# Altium PCB CanRotor_Mini(PCB).PcbDoc
Units mm, origin at the board's own origin, x right, y up, seen from the top; angles counter-clockwise.
Board outline 50 x 50.03 mm, 2 copper layers (Top Layer, Bottom Layer), stack 0.325 mm thick; 88 components, 58 nets, 333 pads, 3 vias.
Unrouted connection lines stored in the file: 157.
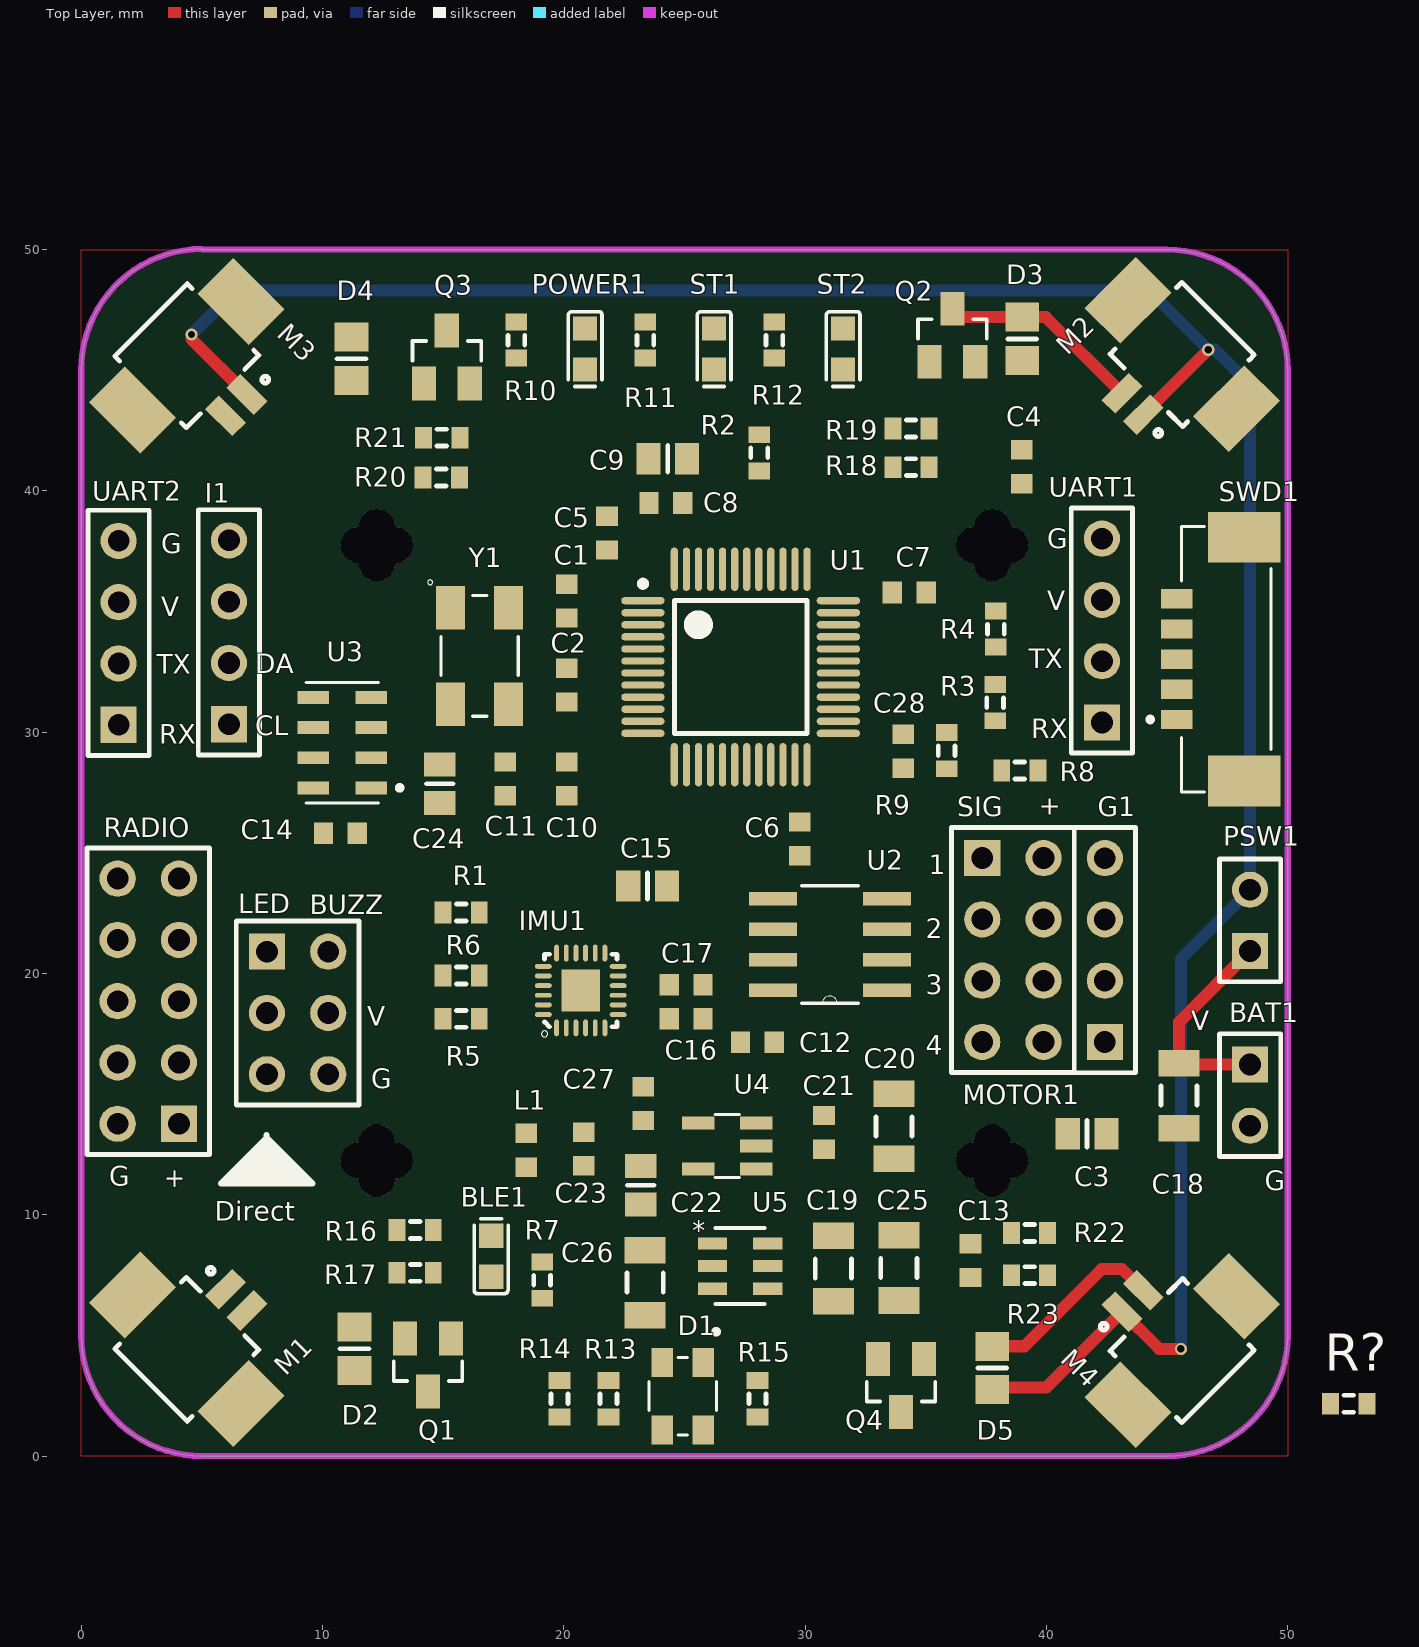
[diagram p0: Top Layer view]
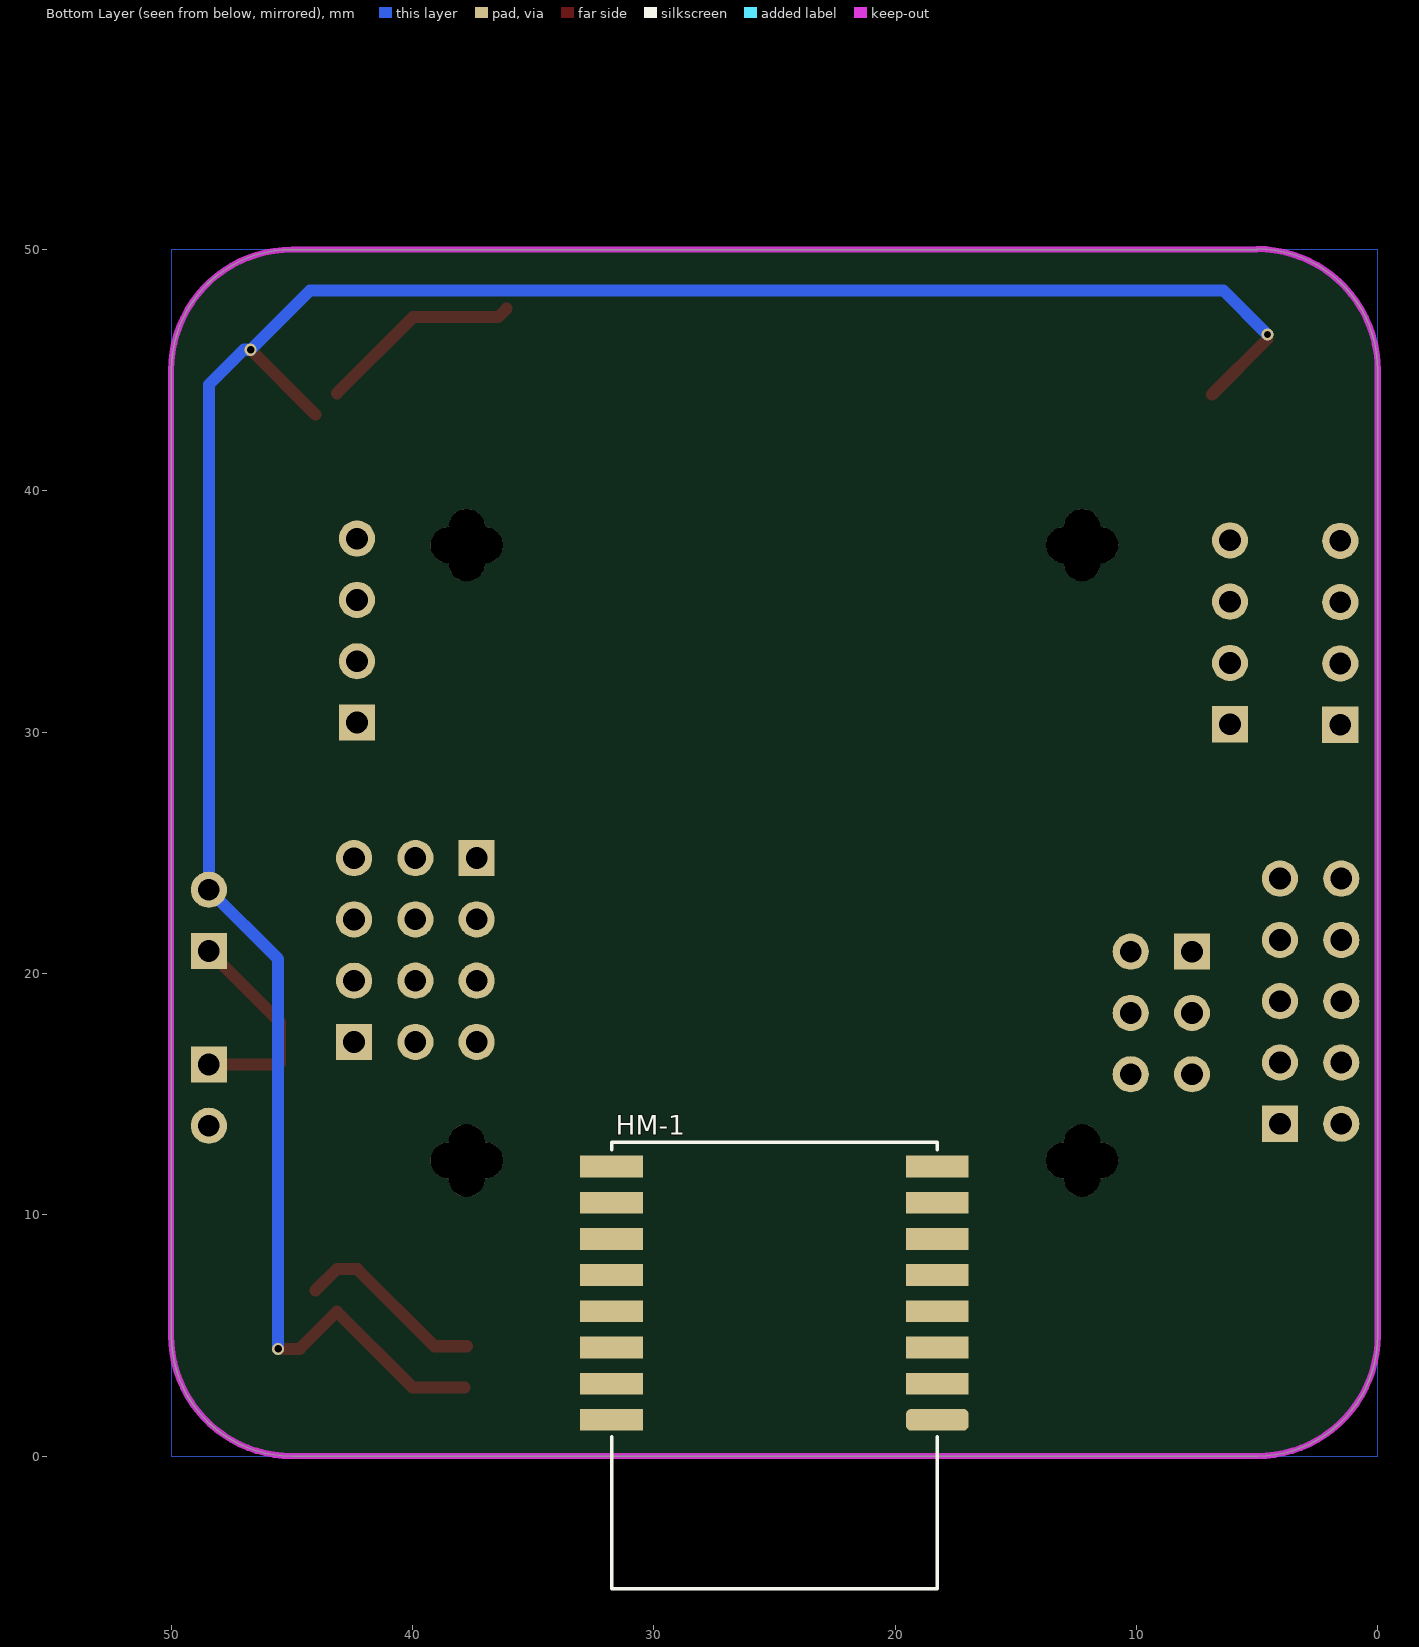
[diagram p1: Bottom Layer view, seen from below]

## Layer stack, top to bottom
Top Solder: solder mask 0.0102, Solder Resist, Dk 3.5
Top Layer: signal copper 0.0356
Dielectric 1: core 0.254, FR-4, Dk 4.2
Bottom Layer: signal copper 0.0356
Bottom Solder: solder mask 0.0102, Solder Resist, Dk 3.5

## Board outline
0,5 0,45 cw(c5.012,45.012) 5,50.025 5,50 45,50 cw(c45,45) 50,45 50,5 cw(c45,5) 45,0 5,0 cw(c5,5)
cut-out: 50,45

## Design rules (kind name [scope] priority, off if disabled: settings)
Clearance Polygon_Clearance [InPolygon] p1: gap=0.254 ignorepadtopadclearanceinfootprint=TRUE
Clearance [All] p2: gap=0.15 ignorepadtopadclearanceinfootprint=TRUE
FabricationTestpoint [(IsPad And (OnTopLayer Or OnBottomLayer)) Or (IsVia) Or (IsPad And OnMultiLayer)] p1: side=3 testpointundercomponent=TRUE minsize=1.016 maxsize=2.54 preferedsize=1.524 minholesize=0 maxholesize=1.016 preferedholesize=0.813 testpointgrid=0.025 allowsidetop=TRUE allowsidebottom=TRUE usegrid=TRUE gridtolerance=0
MinimumSolderMaskSliver [All] p1: minsoldermaskwidth=0.12
PlaneClearance [All] p1: clearance=0.2
PolygonConnect [All] p1: thpad.connectstyle=Relief thpad.reliefconductorwidth=0.5 thpad.reliefentries=4 thpad.polygonreliefangle="90 Angle" thpad.airgapwidth=0.254 smdpad.connectstyle=Relief smdpad.reliefconductorwidth=0.2 smdpad.reliefentries=4 smdpad.polygonreliefangle="90 Angle" smdpad.airgapwidth=0.254 via.connectstyle=Direct via.reliefconductorwidth=1 via.reliefentries=4 via.polygonreliefangle="90 Angle" via.airgapwidth=0.254
RoutingVias RoutingVias_VBAT [InNet('VBAT')] p1: holewidth=0.3 width=0.5 viastyle="Through Hole" minholewidth=0.3 minwidth=0.5 maxholewidth=0.3 maxwidth=0.5
RoutingVias [All] p2: holewidth=0.3 width=0.5 viastyle="Through Hole" minholewidth=0.2 minwidth=0.4 maxholewidth=0.3 maxwidth=0.5
SMDNeckDown [All] p1: percent=50.000
SilkToSilkClearance [All] p1: silktosilkclearance=0.1
SilkToSolderMaskClearance [IsPad] p1: minsilkscreentomaskgap=0.1 clearancetoexposedcopper=TRUE
SolderMaskExpansion [InComponent('No Component')] p1: expansion=0.102
Width Width_VBAT [InNet('VBAT')] p1: maxlimit=1 minlimit=0.5 preferedwidth=0.5
Width Width_GND [InNet('GND')] p2: maxlimit=0.5 minlimit=0.1 preferedwidth=0.3
Width Width_VCC33 [InNet('VCC33')] p3: maxlimit=0.5 minlimit=0.2 preferedwidth=0.3
Width [All] p4: maxlimit=2 minlimit=0.15 preferedwidth=0.2 minimp=50.000000 maximp=50.000000 favimp=50.000000
25 further rules are at their usual default settings.

## Classes and differential pairs
component class CanRotor_Mini(1): BLE1 C1 C2 C3 C4 C5 C6 C7 C8 C9 C10 C11 C12 C13 C14 C15 C16 C17 G1 HM-1 I1 IMU1 LED MOTOR1 R1 R2 R3 R4 R5 R6 R7 R? RADIO SWD1 U1 U2 U3 UART1 UART2 "UART2, RADIO" UART3 Y1
component class CanRotor_Mini(2): BAT1 C18 C19 C20 C21 C22 C23 C24 C25 C26 C27 C28 D1 D2 D3 D4 D5 D6 D7 J2 J4 J5 L1 M1 M2 M3 M4 POWER1 PSW1 Q1 Q2 Q3 Q4 R8 R9 R10 R11 R12 R13 R14 R15 R16 R17 R18 R19 R20 R21 R22 R23 S1 ST1 ST2 U4 U5

## Components (designator, comment, footprint, x,y, rotation, side; value= is the part's Value field where it differs from the comment)
BAT1 "Header 2" HDR1X2 48.438,16.231 r270 top
BLE1 "LED2" LED0603 16.993,8.28 r270 top
C1 "Cap Semi" 1608[0603] 20.117,35.433 r270 top value=18pF
C2 "Cap Semi" 1608[0603] 20.117,31.953 r90 top value=18pF
C3 "Cap Semi" 6-0805_L 41.681,13.36 r0 top value=10uF
C4 "Cap Semi" 1608[0603] 38.975,41 r90 top value=0.1uF
C5 "Cap Semi" 1608[0603] 21.793,38.252 r270 top value=0.1uF
C6 "Cap Semi" 1608[0603] 29.775,25.575 r90 top value=0.1uF
C7 "Cap Semi" 1608[0603] 34.315,35.789 r180 top value=0.1uF
C8 "Cap Semi" 1608[0603] 24.232,39.497 r180 top value=0.1uF
C9 "Cap Semi" 6-0805_L 24.308,41.326 r0 top value=4.7uF
C10 "Cap Semi" 1608[0603] 20.117,28.064 r270 top value=10nF
C11 "Cap Semi" 1608[0603] 17.577,28.064 r270 top value=1uF
C12 "Cap Semi" 1608[0603] 28.025,17.15 r0 top value=0.1uF
C13 "Cap Semi" 1608[0603] 36.855,8.103 r90 top value=0.1uF
C14 "Cap Semi" 1608[0603] 10.744,25.806 r0 top value=0.1uF
C15 "Cap Semi" 6-0805_L 23.47,23.622 r180 top value=10uF
C16 "Cap Semi" 1608[0603] 25.067,18.128 r180 top value=10nF
C17 "Cap Semi" 1608[0603] 25.067,19.529 r180 top value=0.1uF
C18 "Cap Semi" C1206 45.491,14.935 r270 top value=10uF
C19 "Cap Semi" C1206 31.166,7.772 r270 top value=1uF
C20 "Cap Semi" C1206 33.68,13.665 r270 top value=4.7uF
C21 "Cap Semi" 1608[0603] 30.785,13.411 r270 top value=0.1uF
C22 "Cap Semi" 6-0805_L 23.19,11.227 r270 top value=4.7uF
C23 "Cap Semi" 1608[0603] 20.828,12.725 r90 top value=0.1uF
C24 "Cap Semi" 6-0805_L 14.859,27.864 r90 top value=4.7uF
C25 "Cap Semi" C1206 33.884,7.798 r270 top value=2.2uF
C26 "Cap Semi" C1206 23.368,7.188 r270 top value=1uF
C27 "Cap Semi" 1608[0603] 23.292,14.605 r90 top value=22nF
C28 "Cap Semi" 1608[0603] 34.061,29.21 r90 top value=0.1uF
D1 "LL-R3528RGBC-008-B" LED_LL-R3528RGBC-008-B 24.925,2.48 r270 top
D2 "D Schottky" 6-0805_N 11.325,4.45 r90 top
D3 "D Schottky" 6-0805_N 39,46.297 r270 top
D4 "D Schottky" 6-0805_N 11.2,45.475 r90 top
D5 "D Schottky" 6-0805_N 37.75,3.65 r270 top
G1 "Header 4" HDR1X4 42.421,17.159 r90 top
HM-1 "HM-11" HM-11 18.25,1.5 r0 bottom
I1 "Header 4" HDR1X4 6.121,30.328 r90 top
IMU1 "MPU-9250" QFN40P300X300X105-25N 20.701,19.295 r90 top
L1 "Inductor" 1608[0603] 18.44,12.675 r90 top value=1uH
LED "Header 3X2A" HDR2X3_CEN 7.696,20.904 r270 top
M1 "53261-0271" MOLEX_53261-0271 4.375,4.425 r315 top
M2 "53261-0271" MOLEX_53261-0271 45.625,45.65 r135 top
M3 "53261-0271" MOLEX_53261-0271 4.375,45.6 r225 top
M4 "53261-0271" MOLEX_53261-0271 45.625,4.375 r45 top
MOTOR1 "Header 4X2A" HDR2X4_CEN 37.341,24.782 r270 top
POWER1 "POWER" LED0603 20.881,45.872 r90 top
PSW1 "Header 2" HDR1X2 48.438,20.93 r90 top
Q1 "IRLML2502" SOT23 14.375,3.775 r180 top
Q2 "IRLML2502" SOT23 36.1,46.449 r0 top
Q3 "IRLML2502" SOT23 15.15,45.55 r0 top
Q4 "IRLML2502" SOT23 33.975,2.925 r180 top
R1 "Res3" J1-0603 15.747,22.53 r180 top value=10K
R2 "Res3" J1-0603 28.1,41.575 r90 top value=10K
R3 "Res3" J1-0603 37.876,31.223 r270 top value=10K
R4 "Res3" J1-0603 37.901,34.271 r90 top value=10K
R5 "Res3" J1-0603 15.747,18.119 r180 top value=2.2k
R6 "Res3" J1-0603 15.747,19.919 r180 top value=2.2k
R7 "Res3" J1-0603 19.101,7.29 r90 top value=330
R8 "Res3" J1-0603 38.9,28.408 r180 top value=10k
R9 "Res3" J1-0603 35.865,29.235 r90 top value=20k
R10 "Res3" J1-0603 18.034,46.249 r90 top value=330
R11 "Res3" J1-0603 23.38,46.249 r90 top value=330
R12 "Res3" J1-0603 28.725,46.249 r90 top value=330
R13 "Res3" J1-0603 21.85,2.375 r90 top value=330
R14 "Res3" J1-0603 19.825,2.375 r90 top value=330
R15 "Res3" J1-0603 28.025,2.375 r90 top value=330
R16 "Res3" J1-0603 13.84,9.372 r0 top value=10K
R17 "Res3" J1-0603 13.84,7.594 r180 top value=330
R18 "Res3" J1-0603 34.388,40.981 r180 top value=10K
R19 "Res3" J1-0603 34.388,42.582 r0 top value=330
R20 "Res3" J1-0603 14.921,40.553 r0 top value=10K
R21 "Res3" J1-0603 14.942,42.204 r180 top value=330
R22 "Res3" J1-0603 39.301,9.248 r0 top value=10K
R23 "Res3" J1-0603 39.301,7.495 r180 top value=330
R? "Res3" J1-0603 52.529,2.17 r0 top value=10K
RADIO "Header 5X2" HDR2X5 4.051,13.771 r90 top
ST1 "State0" LED0603 26.227,45.872 r90 top
ST2 "State1" LED0603 31.572,45.872 r90 top
SWD1 "0533980571" MOLEX_0533980571_0533980571(Primary) 46.05,33.025 r90 top
U1 "STM32F103CBT6" STM-LQFP48_N 27.33,32.7 r0 top
U2 "24LC256T-I/SN" SOIC127P600X175-8N 31.025,21.2 r180 top
U3 "MS561101BA03-50" SON125P500X300X100-8N 10.82,29.566 r180 top
U4 "RT9193-33GB" SOT-23-5 26.775,12.85 r180 top
U5 "LTC3200ES6-5PBF" SOT-23_S6 27.305,7.874 r0 top
UART1 "Header 4" HDR1X4 42.3,30.4 r90 top
UART2 "Header 4" HDR1X4 1.55,30.306 r90 top
Y1 "ABM3B-8.000MHZ-B2-T" OSCSC500X320X110-4N 16.511,33.158 r0 top

## Footprints (in the part's own frame and the unit in brackets; to place one, negate y for a bottom-side part, rotate by r counter-clockwise, add the part's x,y. Pads: shape width x height; smd on the part's side, far side on the other; paste and mask are expansions set on the pad)
6-0805_L [mm] "Chip Resistor, Body 2.0x1.2mm, IPC High Density"
  rect 1x1.3 smd: 1(-0.8,0) 2(0.8,0)
  silkscreen extent 0,-0.55 0,0.55, body extent -1.07,-0.7 1.07,0.7, height 0.7
6-0805_N [mm] "Chip Resistor, Body 2.0x1.2mm, IPC Medium Density"
  rect 1.2x1.4 smd: 1(-0.9,0) 2(0.9,0)
  silkscreen extent 0,-0.6 0,0.6, body extent -1.07,-0.7 1.07,0.7, height 0.7
1608[0603] [mm] "Chip Capacitor, Body 1.6x0.8mm, IPC High Density"
  rect 0.8x0.9 smd: 1(-0.7,0) 2(0.7,0)
  body extent -0.87,-0.48 0.87,0.48, height 1.3
C1206 [mm] "Chip Capacitor, Body 3.2x1.6mm, IPC High Density"
  rect 1.1x1.7 smd: 1(-1.35,0) 2(1.35,0)
  silkscreen extent -0.4,-0.75 0.4,0.75, body extent -1.7,-0.9 1.7,0.9, height 1.3
HDR1X2 [mm]
  rect 1.5x1.5 hole 0.9: 1(0,0)
  round 1.5 hole 0.9: 2(2.54,0)
  silkscreen extent -1.27,-1.27 3.81,1.27, body extent -1.27,-1.27 3.81,1.27, height 6.54
HDR1X4 [mm]
  rect 1.5x1.5 hole 0.9: 1(0,0)
  round 1.5 hole 0.9: 2(2.54,0) 3(5.08,0) 4(7.62,0)
  silkscreen extent -1.27,-1.27 8.89,1.27, body extent -1.27,-1.27 8.89,1.27, height 6.54
HDR2X3_CEN [mm] "Connector; Header; 3x2 Position"
  rect 1.5x1.5 hole 0.9: 1(0,0)
  round 1.5 hole 0.9: 2(2.54,0) 3(5.08,0) 4(0,2.54) 5(2.54,2.54) 6(5.08,2.54)
  silkscreen extent -1.27,-1.27 6.35,3.81
HDR2X4_CEN [mm]
  rect 1.5x1.5 hole 0.9: 1(0,0)
  round 1.5 hole 0.9: 2(2.54,0) 3(5.08,0) 4(7.62,0) 5(0,2.54) 6(2.54,2.54) 7(5.08,2.54) 8(7.62,2.54)
  silkscreen extent -1.27,-1.27 8.89,3.81, body extent -1.27,-1.27 8.89,3.81, height 6.54
HDR2X5 [mm]
  rect 1.5x1.5 hole 0.9: 1(0,0)
  round 1.5 hole 0.9: 2(0,2.54) 3(2.54,0) 4(2.54,2.54) 5(5.08,0) 6(5.08,2.54) 7(7.62,0) 8(7.62,2.54) 9(10.16,0) 10(10.16,2.54)
  silkscreen extent -1.27,-1.27 11.43,3.81, body extent -1.27,-1.27 11.43,3.81, height 6.54
HM-11 [mm]
  rrect50% 2.6x0.9 smd: 1(0,0)
  rect 2.6x0.9 smd: 2(0,-1.5) 3(0,-3) 4(0,-4.5) 5(0,-6) 6(0,-7.5) 7(0,-9) 8(0,-10.5) 9(13.5,-10.5) 10(13.5,-9) 11(13.5,-7.5) 12(13.5,-6) 13(13.5,-4.5) 14(13.5,-3) 15(13.5,-1.5) 16(13.5,0)
  silkscreen extent 0,-11.5 13.5,7
J1-0603 [mm] "Chip Resistor, Body 1.6x0.8mm, IPC High Density"
  rect 0.7x0.9 smd: 1(-0.75,0) 2(0.75,0)
  silkscreen extent -0.2,-0.35 0.2,0.35, body extent -0.85,-0.48 0.85,0.48, height 0.9
LED0603 [mm]
  rect 1x1 smd paste+0 mask+0: 1(0.85,0) 2(-0.85,0)
  silkscreen extent -1.55,-0.7 1.55,0.7, body extent -0.8,-0.4 0.8,0.4, height 0.25
LED_LL-R3528RGBC-008-B [mm]
  rect 1.2x0.9 smd: 1(-1.4,0.85) 2(-1.4,-0.85) 3(1.4,-0.85) 4(1.4,0.85)
  silkscreen extent -2.77,-1.4 1.6,1.49, body extent -1.75,-1.4 1.75,1.4, height 2.07
MOLEX_53261-0271 [mm]
  rect 0.8x1.6 smd: 1(-0.625,2.9) 2(0.625,2.9)
  rect 2.1x3 smd: P1(-3.175,0) P2(3.175,0)
  silkscreen extent -2.13,-2.1 2.13,3.14, body extent -3.82,-2.1 3.83,3.1, height 3.5
MOLEX_0533980571_0533980571(Primary) [mm]
  rect 0.8x1.3 smd: 1(-2.5,0.65) 2(-1.25,0.65) 3(0,0.65) 4(1.25,0.65) 5(2.5,0.65)
  rect 2.1x3 smd: 6(-5.05,-2.15) 7(5.05,-2.15)
  silkscreen extent -5.5,-3.25 5.5,1.85, body extent -5.7,-3.25 5.7,0.95, height 4.65
OSCSC500X320X110-4N [mm]
  rect 1.2x1.8 smd: 1(-1.2,2) 2(-1.2,-2) 3(1.2,-2) 4(1.2,2)
  silkscreen extent -2.15,-2.5 1.6,3.15, body extent -1.6,-2.6 1.6,2.6, height 0.43
QFN40P300X300X105-25N [mm]
  oval 0.7x0.2 smd: 1(-1.55,1) 2(-1.55,0.6) 3(-1.55,0.2) 4(-1.55,-0.2) 5(-1.55,-0.6) 6(-1.55,-1) 13(1.55,-1) 14(1.55,-0.6) 15(1.55,-0.2) 16(1.55,0.2) 17(1.55,0.6) 18(1.55,1)
  oval 0.2x0.7 smd: 7(-1,-1.55) 8(-0.6,-1.55) 9(-0.2,-1.55) 10(0.2,-1.55) 11(0.6,-1.55) 12(1,-1.55) 19(1,1.55) 20(0.6,1.55) 21(0.2,1.55) 22(-0.2,1.55) 23(-0.6,1.55) 24(-1,1.55)
  rect 1.75x1.6 smd: 25(0,0)
  silkscreen extent -1.93,-1.5 1.5,1.63, body extent -1.51,-1.51 1.51,1.51, height 1
SOIC127P600X175-8N [mil]
  rect 78x22 smd: 1(-93,75) 2(-93,25) 3(-93,-25) 4(-93,-75) 5(93,-75) 6(93,-25) 7(93,25) 8(93,75)
  silkscreen extent -46,-96 46,96, body extent -118,-96 118,96, height 68
SON125P500X300X100-8N [mm]
  rect 1.31x0.53 smd: 1(-1.2,1.875) 2(-1.2,0.625) 3(-1.2,-0.625) 4(-1.2,-1.875) 5(1.2,-1.875) 6(1.2,-0.625) 7(1.2,0.625) 8(1.2,1.875)
  silkscreen extent -2.48,-2.5 1.5,2.5, body extent -1.5,-2.5 1.5,2.5, height 1.02
SOT23 [mm]
  rect 1x1.4 smd: 1(-0.95,-1.1) 2(0.95,-1.1) 3(0,1.1)
  silkscreen extent -1.42,-0.15 1.42,0.66, body extent -1.5,-1.25 1.5,1.25, height 1.06
SOT-23-5 [mm]
  rect 1.35x0.55 smd: 1(-1.2,0.95) 2(-1.2,0) 3(-1.2,-0.95) 4(1.2,-0.95) 5(1.2,0.95)
  silkscreen extent -0.5,-1.3 0.5,1.3, body extent -1.38,-1.5 1.12,1.5, height 1.06
SOT-23_S6 [mil]
  rect 48x20 smd: 1(-45,37) 2(-45,0) 3(-45,-37) 4(45,-37) 5(45,0) 6(45,37)
  silkscreen extent -40,-62 40,62, body extent -55,-57 55,57, height 56
STM-LQFP48_N [mm]
  oval 1.8x0.3 smd: 1(-4.05,2.75) 2(-4.05,2.25) 3(-4.05,1.75) 4(-4.05,1.25) 5(-4.05,0.75) 6(-4.05,0.25) 7(-4.05,-0.25) 8(-4.05,-0.75) 9(-4.05,-1.25) 10(-4.05,-1.75) 11(-4.05,-2.25) 12(-4.05,-2.75) 25(4.05,-2.75) 26(4.05,-2.25) 27(4.05,-1.75) 28(4.05,-1.25) 29(4.05,-0.75) 30(4.05,-0.25) 31(4.05,0.25) 32(4.05,0.75) 33(4.05,1.25) 34(4.05,1.75) 35(4.05,2.25) 36(4.05,2.75)
  oval 0.3x1.8 smd: 13(-2.75,-4.05) 14(-2.25,-4.05) 15(-1.75,-4.05) 16(-1.25,-4.05) 17(-0.75,-4.05) 18(-0.25,-4.05) 19(0.25,-4.05) 20(0.75,-4.05) 21(1.25,-4.05) 22(1.75,-4.05) 23(2.25,-4.05) 24(2.75,-4.05) 37(2.75,4.05) 38(2.25,4.05) 39(1.75,4.05) 40(1.25,4.05) 41(0.75,4.05) 42(0.25,4.05) 43(-0.25,4.05) 44(-0.75,4.05) 45(-1.25,4.05) 46(-1.75,4.05) 47(-2.25,4.05) 48(-2.75,4.05)
  silkscreen extent -4.17,-2.75 2.75,3.57, body extent -3.5,-3.5 3.5,3.5, height 1.6

## Part data
BAT1 PSW1: "Header, 2-Pin", LatestRevisionDate=17-Jul-2002, LatestRevisionNote="Re-released for DXP Platform.", Publisher="Altium Limited"
BLE1: "Typical RED, GREEN, YELLOW, AMBER GaAs LED", LatestRevisionDate=17-Jul-2002, LatestRevisionNote="Re-released for DXP Platform.", PackageDescription="SM LED; 2 Flat Leads", PackageReference=3.2X1.6X1.1, PackageVersion=Feb-2002, Published=8-Jun-2000, Publisher="Altium Limited"
C1 C2 C3 C4 C5 C6 C7 C8 C9 C10 C11 C12 C13 C14 C15 C16 C17 C18 C19 C20 C21 C22 C23 C24 C25 C26 C27 C28: "Capacitor (Semiconductor SIM Model)", LatestRevisionDate=29-May-2009, LatestRevisionNote="IPC-7351 Footprint Added.", PackageDescription="Chip Capacitor", PackageReference=C1206, Published=8-Jun-2000, Publisher="Altium Limited"
D1: "LED; SMD; 3528, PLCC2; RGB; 3.5x2.8mm; 120°; Red lumin: 1", Package="PLCC-2 Lucky Light", Availability=Unavailable, MF="Lucky Light", MP=LL-R3528RGBC-008-B, Price=None, SnapEDA_Link=https://www.snapeda.com/parts/LL-R3528RGBC-008-B/Lucky%20Light/view-part/?ref=snap
D2 D3 D4 D5: "Schottky Diode", Code_JEDEC=DO-214-AA, LatestRevisionDate=17-Jul-2002, LatestRevisionNote="Re-released for DXP Platform.", PackageDescription="DO-214-AA/SMB; 2 C-Bend Leads; Body 5.3 x 3.6 mm, inc. leads (LxW)", PackageReference=SMB, Published=8-Jun-2000, Publisher="Altium Limited"
G1 I1 UART1 UART2: "Header, 4-Pin", LatestRevisionDate=17-Jul-2002, LatestRevisionNote="Re-released for DXP Platform.", Publisher="Altium Limited"
IMU1: "SMD Gyroscope/Accelerometer/Magnetometer Sensor%3B 9-AXIS", Package="QFN-24 InvenSense", Availability=Warning, MF=InvenSense, MP=MPU-9250, Price="6.07 USD"
LED: "Header, 3-Pin, Dual row", LatestRevisionDate=17-Jul-2002, LatestRevisionNote="Re-released for DXP Platform.", Publisher="Altium Limited"
M1 M2 M3 M4: "Conn Shrouded Header HDR 2 POS 1.25mm Solder RA SMD PicoBlade%E2%84%A2 Embossed T/R", Package=None, Availability=Good, MF=Molex, MP=53261-0271, Price="14.02 USD"
MOTOR1: "Header, 4-Pin, Dual row", LatestRevisionDate=17-Jul-2002, LatestRevisionNote="Re-released for DXP Platform.", Publisher="Altium Limited"
POWER1 ST1 ST2: library part LED2, "Typical RED, GREEN, YELLOW, AMBER GaAs LED", LatestRevisionDate=17-Jul-2002, LatestRevisionNote="Re-released for DXP Platform.", PackageDescription="SM LED; 2 Flat Leads", PackageReference=3.2X1.6X1.1, PackageVersion=Feb-2002, Published=8-Jun-2000, Publisher="Altium Limited"
Q1 Q2 Q3 Q4: Package=None, Availability=Unavailable, MF="International Rectifier", MP=IRLML2502, Price="0.17 USD"
R1 R2 R3 R4 R5 R6 R7 R8 R9 R10 R11 R12 R13 R14 R15 R16 R17 R18 R19 R20 R21 R22 R23 R?: "Resistor", LatestRevisionDate=29-May-2009, LatestRevisionNote="IPC-7351 Footprint Added.", PackageDescription="Chip Resistor", PackageReference=J1-0603, Published=8-Jun-2000, Publisher="Altium Limited"
RADIO: "Header, 5-Pin, Dual row", LatestRevisionDate=17-Jul-2002, LatestRevisionNote="Re-released for DXP Platform.", Publisher="Altium Limited"
SWD1: "Conn Shrouded Header HDR 5 POS 1.25mm Solder ST SMD PicoBladeÃ¢â?Â¢ Embossed T/R", Package=None, Availability=Unavailable, MF="Molex, LLC", MP=0533980571, Price=None, SnapEDA_Link=https://www.snapeda.com/parts/0533980571/Molex%2C%20LLC/view-part/?ref=snap
U1: "ARM Cortex-M3 32-bit MCU, 128 KB Flash, 20 KB Internal RAM, 37 I/Os, 48-pin LQFP, -40 to 85 degC, Tray", I/Os (High Current)=37, Operating Frequency(F) (Processor speed) (MHz)=72, Supplier Part Number 1=497-6288-ND, Supply Voltage(Vcc) min (V)=2, A/D Converter="2x12-bit (10 Channel)", ComponentLink1Description="Manufacturer URL", ComponentLink1URL=http://www.st.com/web/en/home.html, ComponentLink2Description=Datasheet, ComponentLink2URL=http://www.st.com/st-web-ui/static/active/en/resource/technical/document/datasheet/CD00161566.pdf, ComponentLink3Description="Package Specification", ComponentLink3URL=http://www.st.com/st-web-ui/static/active/en/resource/technical/document/datasheet/DM00058181.pdf, Core="ARM Cortex-M3", DatasheetVersion="Rev. 16", FLASH Size (Prog) (kB)=128, Internal RAM Size (kB)=20, Mounting Technology="Surface Mount", PackageDescription="48-Pin Low Profile Quad Flat Package, 7 x 7 mm Body, 0.5 mm Pitch", PackageReference=LQFP48, PackageVersion="Rev. 6, 06/2013", Packing=Tray, PartNumber=STM32F103CBT6, Supplier 1=Digi-Key, Supplier 2=Farnell, Supplier 3=Newark, Supplier 4=Newark, Supplier 5=Mouser, Supplier Part Number 2=1606327, Supplier Part Number 3=11N8296, Supplier Part Number 4=57P1214, Supplier Part Number 5=511-STM32F103CBT6
U2: "EEPROM Serial-I2C 256K-bit 32K x 8 3.3V/5V 8-Pin SOIC N T/R", Package="SOIC-8 Microchip", Availability=Unavailable, MF=Microchip, MP=24LC256T-I/SN, Price=None, SnapEDA_Link=https://www.snapeda.com/parts/24LC256T-I/SN/Microchip/view-part/?ref=snap
U3: "Pressure Sensor 1.44V to 3.6V 0.01bar to 1.2bar Absolute 8-Pin QFN T/R", Package="SMD-8 Measurement Specialties", Availability=Unavailable, MF="TE Connectivity", MP=MS561101BA03-50, Price=None, SnapEDA_Link=https://www.snapeda.com/parts/MS561101BA03-50/TE%20Connectivity%20ALCOSWITCH%20Switches/view-part/?ref=snap, TE_purchase_URL=https://www.te.com/usa-en/product-MS561101BA03-50.html?te_bu=Cor&te_type=disp&te_campaign=seda_glo_cor-seda-global-disp-prtnr-fy19-seda-model-bom-cta_sma-317_1&elqCampaignId=32493
U5: "LTC3200 - Low Noise, Regulated Charge Pump DC/DC Converters", Package="SOT-23-6 Linear Technology", Availability=Unavailable, MF="Linear Technology", MP=LTC3200ES6-5#PBF, Price=None, SnapEDA_Link=https://www.snapeda.com/parts/LTC3200ES6-5%23PBF/Linear%20Technology/view-part/?ref=snap
Y1: "Crystal 8MHz %C2%B120ppm %28Tol%29 %C2%B150ppm %28Stability%29 18pF FUND 200Ohm 4-Pin CSMD T/R", Package="5.0 x 3.2mm Abracon", Availability=Good, MF=Abracon, MP=ABM3B-8.000MHZ-B2-T, Price="0.47 USD"
L1: Code_IEC=1005, Code_JEITA=0402, LatestRevisionDate=29-May-2009, LatestRevisionNote="IPC-7351 Footprint Added.", PackageDescription="Chip Inductor", PackageReference=0402-A, Published=8-Jun-2000, Publisher="Altium Limited"

## Free pads (board coordinates)
  oval 1.5x3 hole 1.5 slot 3 at 90 deg: 1(12.25,37.75) 3(37.75,37.75) 5(12.25,12.25) 7(37.75,12.25)
  oval 3x1.5 hole 1.5 slot 3 at 0 deg: 2(12.25,37.75) 4(37.75,37.75) 6(12.25,12.25) 8(37.75,12.25)

## Via types
v1: diameter 0.5, hole 0.3, Top Layer to Bottom Layer, tented both sides, 3 vias

## Nets (pads, with @x,y where several pads share a name; then routed paths per layer and width w, separated by ;. In a path a pad name is that pad's centre, name@x,y a point inside that pad or via, vN(x,y) a via of type N, cw(c..) or ccw(c..) an arc to the next point about the centre after c; other vN are vias at no path point)
BOOT0: R2.1 U1.44
BOOT1: R1.1 U1.20
BUZZER: LED.4 U1.29
GND: BAT1.2 BLE1.2 C1.1 C2.1 C3.2 C4.2 C5.1 C6.1 C7.1 C8.1 C9.2 C10.1 C11.1 C12.1 C13.1 C14.1 C15.1 C16.1 C17.1 C18.2 C19.2 C20.2 C21.2 C22.2 C23.2 C24.2 C26.2 C27.2 C28.2 G1.1 G1.2 G1.3 G1.4 HM-1.12 I1.4 IMU1.11 IMU1.18 IMU1.19 IMU1.20 LED.3 LED.6 POWER1.2 Q1.2 Q2.2 Q3.2 Q4.2 R1.2 R2.2 R9.2 R16.1 R18.1 R20.1 R22.1 RADIO.2 ST1.2 ST2.2 SWD1.3 SWD1.6 SWD1.7 U1.8 U1.23 U1.35 U1.47 U2.1 U2.2 U2.3 U2.4 U2.7 U3.3 U3.4 U3.5 U4.2 U5.2 UART1.4 UART2.4 Y1.2 Y1.4
I2C2_SCL: I1.1 IMU1.23 R6.1 U1.21 U2.6 U3.8
I2C2_SDA: I1.2 IMU1.24 R5.1 U1.22 U2.5 U3.7
LED0: R11.1 U1.39
LED1: R12.1 U1.40
LED2: R13.2 U1.26
LED3: R14.2 U1.27
LED4: R15.2 U1.28
MOTOR1: MOTOR1.1 R16.2 R17.1 U1.42
MOTOR2: MOTOR1.2 R18.2 R19.1 U1.43
MOTOR3: MOTOR1.3 R20.2 R21.1 U1.45
MOTOR4: MOTOR1.4 R22.2 R23.1 U1.46
MOTOR_LED: LED.1 U1.25
NetBLE1_1: BLE1.1 R7.1
NetC17_2: C17.2 IMU1.10
NetC25_1: C25.1 U5.6
NetC25_2: C25.2 U5.4
NetC27_1: C27.1 U4.4
NetD1_2: D1.2 R13.1
NetD1_3: D1.3 R14.1
NetD1_4: D1.4 R15.1
NetD2_1: D2.1 M1.2 Q1.3
NetD3_1: D3.1 M2.2 Q2.3 | length 8.5
  Top Layer w0.5: Q2.3 36.452,47.197 D3.1 39.977,47.197 M2.2
NetD4_1: D4.1 M3.2 Q3.3
NetD5_1: D5.1 M4.2 Q4.3 | length 8
  Top Layer w0.5: D5.1 39.091,4.55 42.287,7.747 43.137,7.747 M4.2
NetHM-1_15: HM-1.15 R7.2
NetPOWER1_1: POWER1.1 R10.2
NetQ1_1: Q1.1 R17.2
NetQ2_1: Q2.1 R19.2
NetQ3_1: Q3.1 R21.2
NetQ4_1: Q4.1 R23.2
NetR11_2: R11.2 ST1.1
NetR12_2: R12.2 ST2.1
NRST: C4.1 R?.2 SWD1.5 U1.7
OSC_IN: C1.2 U1.5 Y1.1
OSC_OUT: C2.2 U1.6 Y1.3
POWER_ADC: C28.1 R8.2 R9.1 U1.14
RC(CH3)_UART2(TX): RADIO.8 U1.12 UART2.2
RC(CH4)_UART2(RX): RADIO.7 U1.13 UART2.1
RC_CH1: RADIO.10 U1.10
RC_CH2: RADIO.9 U1.11
RC_CH5: RADIO.6 U1.16
RC_CH6: RADIO.5 U1.17
RC_CH7: RADIO.4 U1.18
RC_CH8: RADIO.3 U1.19
SWCLK: R3.2 SWD1.2 U1.37
SWDIO: R4.2 SWD1.4 U1.34
TEST: LED.5 U1.38
UART1_RX: HM-1.2 U1.31 UART1.1
UART1_TX: HM-1.4 U1.30 UART1.2
VBAT: BAT1.1 C18.1 PSW1.1 R8.1 | length 8.8
  Top Layer w0.5: C18.1 45.491,17.983 PSW1.1 ; C18.1@45.546,16.231 BAT1.1
VBAT_OUT: C19.1 D2.2 D3.2 D4.2 D5.2 M1.1 M2.1 M3.1 M4.1 PSW1.2 U5.3 U5.5 | length 104.3
  Top Layer w0.5: v1(4.572,46.482) 4.572,46.287 M3.1 ; D5.2@37.845,2.845 39.994,2.845 M4.1 44.671,4.445 v1(45.568,4.445) ; M2.1 v1(46.706,45.847)
  Bottom Layer w0.5: v1(4.572,46.482) 6.401,48.311 44.242,48.311 v1(46.706,45.847) 46.99,45.847 48.438,44.399 PSW1.2 45.568,20.599 v1(45.568,4.445)
VCC33: C5.2 C6.2 C7.2 C8.2 C9.1 C13.2 C22.1 C23.1 D1.1 HM-1.9 HM-1.10 L1.1 R3.1 R4.1 R5.2 R6.2 R10.1 R?.1 SWD1.1 U1.1 U1.24 U1.36 U1.48 U4.5 UART1.3 UART2.3
VCC33_A: C10.2 C11.2 C14.2 C15.2 C16.2 C24.1 IMU1.1 IMU1.8 IMU1.9 IMU1.13 IMU1.22 L1.2 U1.9 U3.1 U3.2
VCC_5: C3.1 C12.2 C20.1 C21.1 C26.1 I1.3 LED.2 MOTOR1.5 MOTOR1.6 MOTOR1.7 MOTOR1.8 RADIO.1 U2.8 U4.1 U4.3 U5.1
pads on no net: HM-1.1 HM-1.3 HM-1.5 HM-1.6 HM-1.7 HM-1.8 HM-1.11 HM-1.13 HM-1.14 HM-1.16 IMU1.2 IMU1.3 IMU1.4 IMU1.5 IMU1.6 IMU1.7 IMU1.12 IMU1.14 IMU1.15 IMU1.16 IMU1.17 IMU1.21 IMU1.25 M1.P1 M1.P2 M2.P1 M2.P2 M3.P1 M3.P2 M4.P1 M4.P2 U1.2 U1.3 U1.4 U1.15 U1.32 U1.33 U1.41 U3.6

## Polygon pours and split planes (outlines as drawn)
GND on Bottom Layer "Bottom Layer-GND" (solid, remove dead copper, shelved, pour order 1): 0,0 0,50 50,50 50,0
GND on Top Layer "Top Layer-GND" (solid, remove dead copper, shelved, pour order 0): 0,0 0,50 50,50 50,0

## Keep-outs
Keep-Out Layer:
  lines w0.254: 5,50 45,50 cw(c45,45) 50,45 50,5 cw(c45,5) 45,0 5,0 cw(c5,5) 0,5 0,45 cw(c5.012,45.012) 5,50.025

## Silkscreen, mask and mechanical layers (free items; w line width, h text height)
Top Overlay:
  region: -26.75,24.8
  region: 7.686,13.193 5.786,11.293 9.586,11.293
  lines w0.254: 7.686,13.293 7.686,13.193 ; 7.686,13.193 9.586,11.293 9.086,11.293 5.786,11.293 7.686,13.193
  text "G" at 40.025,37.625 h0.8
  text "G" at 3.324,37.41 h0.8
  text "V" at 40.025,35.05 h0.8
  text "V" at 3.324,34.81 h0.8
  text "TX" at 39.275,32.65 h0.8
  text "DA" at 7.214,32.436 h0.8
  text "TX" at 3.124,32.41 h0.8
  text "CL" at 7.214,29.87 h0.8
  text "RX" at 39.375,29.75 h0.8
  text "RX" at 3.224,29.51 h0.8
  text "1" at 35.132,24.121 h0.8
  text "2" at 35.005,21.454 h0.8
  text "3" at 35.005,19.143 h0.8
  text "V" at 45.999,17.653 h0.8
  text "4" at 35.005,16.628 h0.8
  text "G" at 49.047,11.024 h0.8
  text "Direct" at 5.537,9.754 h0.8
Bottom Overlay:
  region: 181 vertices and 3 holes, not listed, extent 83.947,27.534 91.262,34.442
  text "광주로봇동호회" at 79.705,32.715 h2
  text "CanRotor_Mini (Ver.8)" at 81.432,30.124 h2
  text "Mede by MCU" at 79.197,27.432 h2
Mechanical 1:
  lines w0.254: 44.825,50 45,50

## Dimensions
0,50 to 50,50 on Mechanical 1
0,50 to 0,0 on Mechanical 1

## Text inside footprints (layer, text, board x,y; h text height)
LED: Top Overlay "BUZZ" at 9.474,22.454 h0.8; Top Overlay "V" at 11.862,17.831 h0.8; Top Overlay "G" at 12.014,15.24 h0.8
MOTOR1: Top Overlay "+" at 39.678,26.585 h0.8; Top Overlay "SIG" at 36.3,26.52 h0.8
RADIO: Top Overlay "G" at 1.165,11.193 h0.8; Top Overlay "+" at 3.543,11.942 h0.8 r270
U5: Top Overlay "*" at 25.324,8.945 h0.8; Mechanical 4 "*" at 26.238,7.726 h0.8; Mechanical 4 "*" at 26.238,7.726 h0.8